# Altium PCB Carte_Batterie PAMI 2024.PcbDoc (continued)
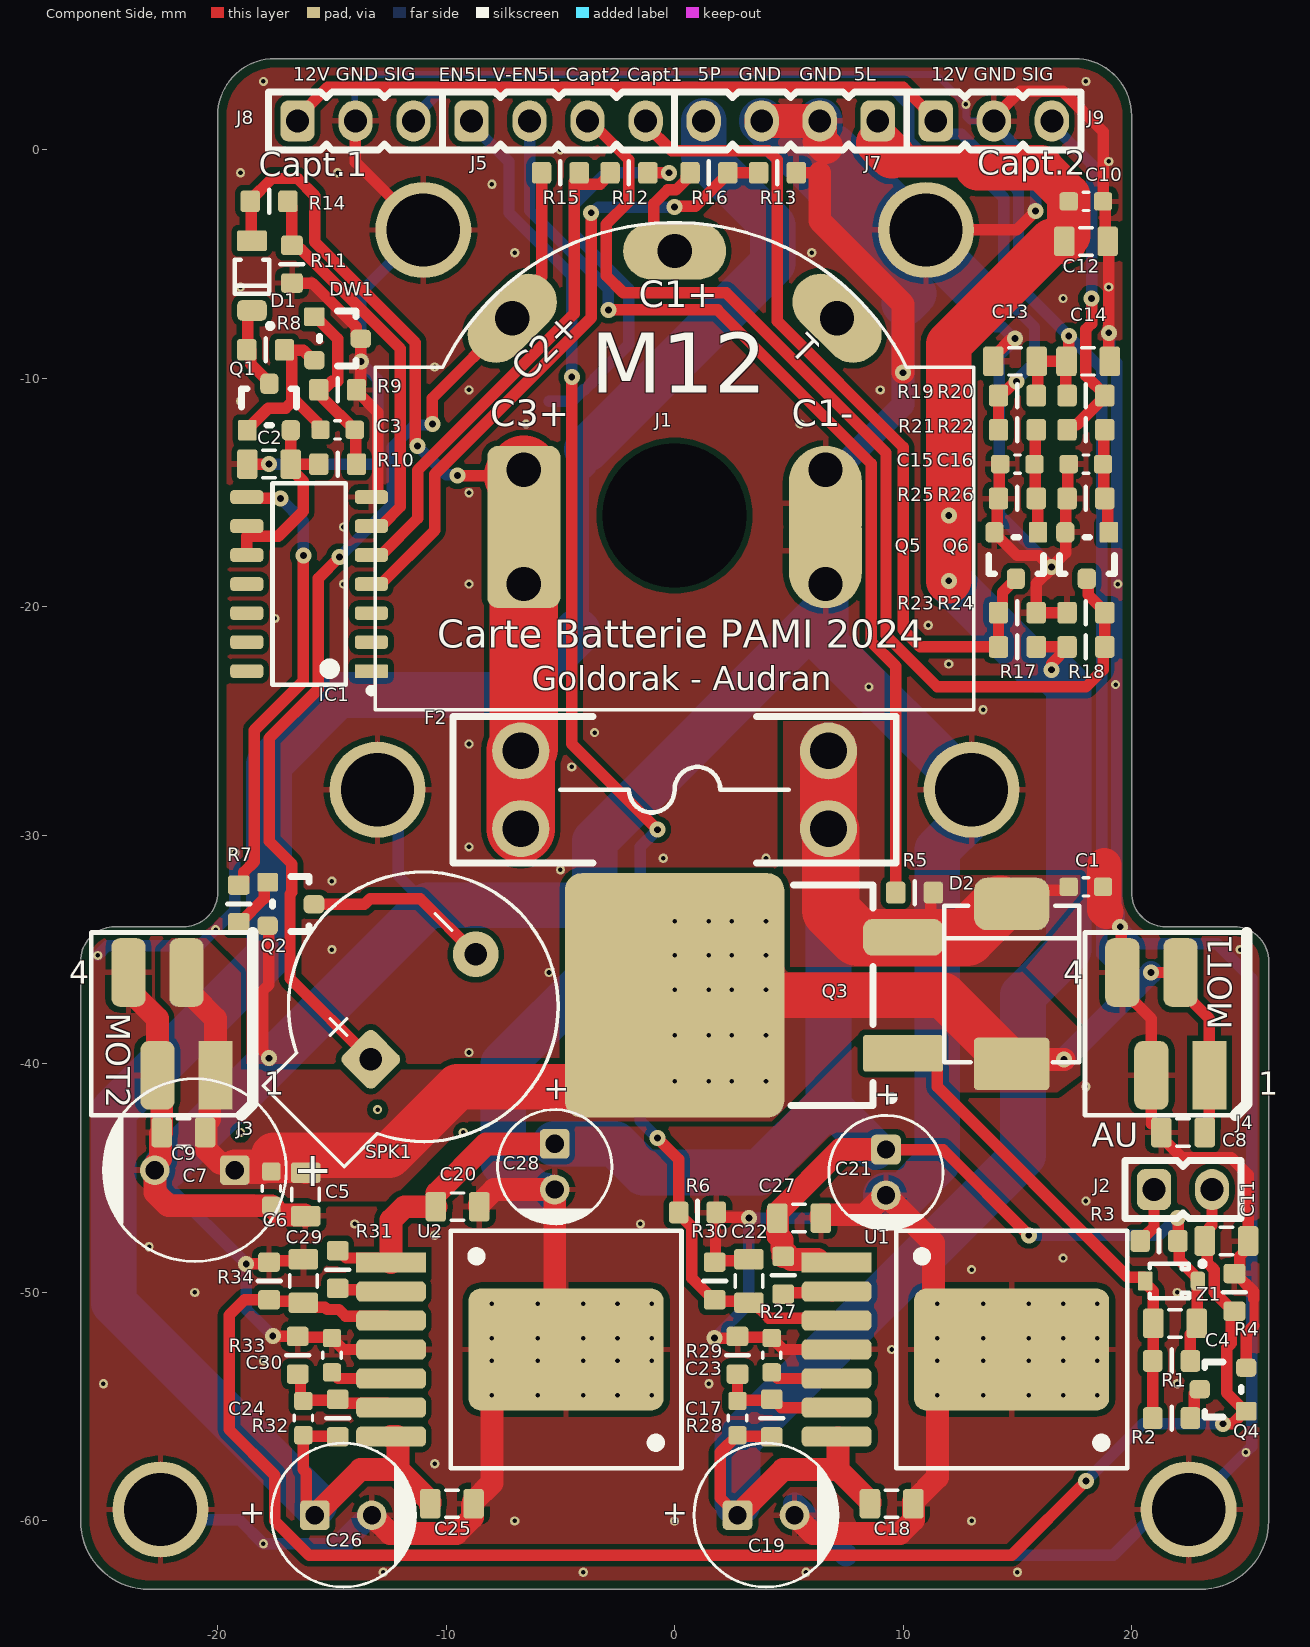
[diagram p0: Component Side view]
## Footprints (in the part's own frame and the unit in brackets; to place one, negate y for a bottom-side part, rotate by r counter-clockwise, add the part's x,y. Pads: shape width x height; smd on the part's side, far side on the other; paste and mask are expansions set on the pad) (continued)
  rrect30% 1.3x1.3 hole 0.8: 1(1.25,0)
  round 1.3 hole 0.8: 2(-1.25,0)
  silkscreen extent -3.15,-3.15 3.15,3.15, body extent -3.14,-3.15 3.12,3.13, height 11.11
WCAP-ATG8_8x11.5x3.5x0.5 [mm] "Polarized capacitors, Aluminum Electrolytic Capacitors, 2-Leads, Body 8x11.5x3.5x0.5"
  rrect30% 1.3x1.3 hole 0.8: 1(1.75,0)
  round 1.3 hole 0.8: 2(-1.75,0)
  silkscreen extent -4,-4 4,4, body extent -3.99,-4 3.97,3.98, height 11.61
"WCAP-CSGP_0603, 1.6x0.8x0.8" [mm] "WCAP-CSGP Ceramic Capacitors, size 0603, body 1.6x0.8x0.8"
  rrect30% 0.8x0.8 smd: 1(-0.75,0) 2(0.75,0)
  silkscreen extent -0.13,-0.4 0.13,0.4, body extent -1,-0.39 1,0.39, height 0.8
"WCAP-CSGP_0805, 2x1.25x1.25" [mm] "WCAP-CSGP Ceramic Capacitors, size 0805, body 2x1.25x1.25"
  rrect30% 0.9x1.3 smd: 1(-0.95,0) 2(0.95,0)
  silkscreen extent -0.27,-0.6 0.28,0.6, body extent -1,-0.63 1,0.62, height 1.25
WPME-VDRM_TO263-7EP [mm] "9.85x10.16"
  rect 3.06x0.89 smd: 1(-7.66,3.81)
  rrect50% 3.06x0.89 smd: 2(-7.66,2.54) 3(-7.66,1.27) 4(-7.66,0) 5(-7.66,-1.27) 6(-7.66,-2.54) 7(-7.66,-3.81)
  rrect20% 8.54x5.35 smd paste-10: 8(0,0)
  silkscreen extent -5.05,-5.21 5.05,5.21, body extent -8.85,-5.08 4.92,5.08, height 4.77

## Part data
C1 C3 C6 C10 C15 C16 C17 C24: library part "WCAP-CSGP, 885012206095", "CAP CER 100nF 50V X7R 0603", Manufacturer="Wurth Elektronik", Manufacturer Part Number=885012206095, RatedVoltage=50V, CeramicType=X7R, ComponentLink1Description=Datasheet, ComponentLink1URL=http://katalog.we-online.com/pbs/datasheet/885012206095.pdf, Size=0603, SUPPLIER 2=JLCPCB, Supplier Footprint 2=0603, SUPPLIER PART NUMBER 2=C14663
C2: library part "WCAP-CSGP, 885012207103", "CAP CER 1uF 50V X7R 0805", Manufacturer="Wurth Elektronik", Manufacturer Part Number=885012207103, RatedVoltage=50V, SUPPLIER PART NUMBER 1=2495200, CeramicType=X7R, ComponentLink1Description=Datasheet, ComponentLink1URL=http://katalog.we-online.com/pbs/datasheet/885012207103.pdf, Size=0805, SUPPLIER 1=Farnell, SUPPLIER 2=JLCPCB, Supplier Footprint 2=0805, SUPPLIER PART NUMBER 2=C28323
C4 C5 C8 C9 C13 C14 C18 C20 C22 C25 C27 C29: library part "WCAP-CSGP, 885012207103", "CAP CER 1uF 50V X7R 0805", Manufacturer="Wurth Elektronik", Manufacturer Part Number=885012207103, RatedVoltage=50V, CeramicType=X7R, ComponentLink1Description=Datasheet, ComponentLink1URL=http://katalog.we-online.com/pbs/datasheet/885012207103.pdf, Size=0805, SUPPLIER 2=JLCPCB, Supplier Footprint 2=0805, SUPPLIER PART NUMBER 2=C28323
C7: library part "WCAP-ATG8, 860010474013", "CAP Alu 470 UF 20% 25 V", Manufacturer="Wurth Elektronik", Manufacturer Part Number=860010474013, RatedVoltage=25V, ComponentLink1Description=Datasheet, ComponentLink1URL=http://katalog.we-online.de/pbs/datasheet/860010474013.pdf, Size=8mmx11.5mm
C11 C12: library part "WCAP-CSGP, 885012207026", "CAP CER 10uF 10V X7R 0805", Manufacturer="Wurth Elektronik", Manufacturer Part Number=885012207026, RatedVoltage=10V, SUPPLIER PART NUMBER 1=2495189, CeramicType=X7R, ComponentLink1Description=Datasheet, ComponentLink1URL=http://katalog.we-online.com/pbs/datasheet/885012207026.pdf, Size=0805, SUPPLIER 1=Farnell, SUPPLIER 2=JLCPCB, Supplier Footprint 2=0805, SUPPLIER PART NUMBER 2=C15850
C19 C26: library part "WCAP-ATG8, 860010373010", "CAP Alu 220 UF 20% 16 V", Manufacturer="Wurth Elektronik", Manufacturer Part Number=860010373010, RatedVoltage=16V, ComponentLink1Description=Datasheet, ComponentLink1URL=http://katalog.we-online.de/pbs/datasheet/860010373010.pdf, Size=6.3mmx11mm
C21 C28: library part "WCAP-ATG8, 860010672009", "CAP Alu 10 UF 20% 50 V", Manufacturer="Wurth Elektronik", Manufacturer Part Number=860010672009, RatedVoltage=50V, ComponentLink1Description=Datasheet, ComponentLink1URL=http://katalog.we-online.de/pbs/datasheet/860010672009.pdf, Size=5mmx11mm
C23 C30: library part "WCAP-CSGP, 885012206087", "CAP CER 4.7nF 50V X7R 0603", Manufacturer="Wurth Elektronik", Manufacturer Part Number=885012206087, RatedVoltage=50V, SUPPLIER PART NUMBER 1=2495180, CeramicType=X7R, ComponentLink1Description=Datasheet, ComponentLink1URL=http://katalog.we-online.com/pbs/datasheet/885012206087.pdf, Size=0603, SUPPLIER 1=Farnell, SUPPLIER 2=JLCPCB, Supplier Footprint 2=0603, SUPPLIER PART NUMBER 2=C53987
D1: library part RBR3MM40ATFTR, "DIODE SCHOTTKY 40V 3A SOD123-FL", ContinuousForwardCurrent=3A, Manufacturer=ROHM, SUPPLIER PART NUMBER 1=2581593, ComponentLink1Description=Datasheet, ComponentLink1URL=http://www.farnell.com/datasheets/2067190.pdf, ComponentLink2Description=Manufacturer, ComponentLink2URL=http://www.rohm.com/web/global/products/-/product/RBR3MM40ATF, Manufacturer Part Number=RBR3MM40ATFTR, SUPPLIER 1=Farnell, SUPPLIER 2=JLCPCB, Supplier Footprint 2=SOD-123, SUPPLIER PART NUMBER 2=C8598, Type=Schottky
D2: library part RS3J_R6, "DIODE GEN PURP 600V 3A SMC", ContinuousForwardCurrent=3A, Manufacturer="TAIWAN SEMICONDUCTOR", SUPPLIER PART NUMBER 1=2677388, ComponentLink1Description=Datasheet, ComponentLink1URL=http://www.farnell.com/datasheets/2182655.pdf, Manufacturer Part Number="RS3J R6", SUPPLIER 1=Farnell, Type=Standard
DW1 Q1 Q2: library part 2N7002, "MOSFET N 60V 115MA SOT23", Manufacturer="Changjiang Electronics Tech (CJ)", SUPPLIER PART NUMBER 1=1510761, ComponentLink1Description=Datasheet, ComponentLink1URL=https://datasheet.lcsc.com/szlcsc/1810151612_Changjiang-Electronics-Tech-CJ-2N7002_C8545.pdf, Manufacturer Part Number=2N7002, SUPPLIER 1=Farnell, SUPPLIER 2=JLCPCB, Supplier Footprint 2=SOT-23-3, SUPPLIER PART NUMBER 2=C8545
F2: "FUSE Holder 500V 30A PCB", Manufacturer="Keystone Electronics", SUPPLIER PART NUMBER 1=2292904, ComponentLink1Description=Datasheet, ComponentLink1URL=http://www.keyelco.com/product-pdf.cfm?p=296, Manufacturer Part Number=3557-2, SUPPLIER 1=Farnell
IC1: "Specific IC for Lipo Saver (extracted", Manufacturer=LipoSaver, ComponentLink1Description=Datasheet, ComponentLink1URL=https://www.onsemi.com/pdf/datasheet/74vhc02-d.pdf, Manufacturer Part Number=ASIC_LipoSaver
J1: library part CONN_BATT-M12, "Batterie connector for Milwaukee M12, use 2x RS 125-2006 and 3x RS 125-2000"
J2: "CONN HEADER VERT 2POS 2.54MM", Manufacturer=MOLEX, SUPPLIER PART NUMBER 1=9731075, ComponentLink1Description=Datasheet, ComponentLink1URL=http://www.farnell.com/datasheets/1791308.pdf, ComponentLink2Description=Drawings, ComponentLink2URL="http://www.farnell.com/cad/495071.pdf  http://www.farnell.com/cad/1533907.pdf  http://www.farnell.com/cad/1533907.pdf", Manufacturer Part Number=22-03-2021, SUPPLIER 1=Farnell
J3 J4: "WR-MM 4p Female SMT Connector with Polarization", Manufacturer="Wurth Electronics Inc.", SUPPLIER PART NUMBER 1=1641848, ComponentLink1Description=Datasheet, ComponentLink1URL=http://katalog.we-online.de/em/datasheet/69036728xx76.pdf, Manufacturer Part Number=690367280476, SUPPLIER 1=Farnell
J5 J7: library part Conn_22-03-2041, "CONN HEADER VERT 4POS 2.54MM", Manufacturer=MOLEX, SUPPLIER PART NUMBER 1=9731091, ComponentLink1Description=Datasheet, ComponentLink1URL=https://www.molex.com/pdm_docs/sd/022032041_sd.pdf, Manufacturer Part Number=22-03-2041, SUPPLIER 1=Farnell
J8 J9: "CONN HEADER VERT 3POS 2.54MM", Manufacturer=MOLEX, SUPPLIER PART NUMBER 1=9731083, ComponentLink1Description=Datasheet, ComponentLink1URL=http://www.farnell.com/datasheets/1785732.pdf, ComponentLink2Description=Drawings, ComponentLink2URL="http://www.farnell.com/cad/495071.pdf  http://www.farnell.com/cad/1533907.pdf  http://www.farnell.com/cad/1533907.pdf", Manufacturer Part Number=22-03-2031, SUPPLIER 1=Farnell
Q3: "MOSFET P 60V 120A D2PAK", Manufacturer=VISHAY, SUPPLIER PART NUMBER 1=2617099, ComponentLink1Description=Datasheet, ComponentLink1URL=http://www.vishay.com/docs/67026/sqm120p0.pdf, Manufacturer Part Number=SQM120P06-07L_GE3, SUPPLIER 1=Farnell
Q4 Q5 Q6: "MOSFET N 60V 115MA SOT23", Manufacturer="Changjiang Electronics Tech (CJ)", SUPPLIER PART NUMBER 1=1510761, ComponentLink1Description=Datasheet, ComponentLink1URL=https://datasheet.lcsc.com/szlcsc/1810151612_Changjiang-Electronics-Tech-CJ-2N7002_C8545.pdf, Manufacturer Part Number=2N7002, SUPPLIER 1=Farnell, SUPPLIER 2=JLCPCB, Supplier Footprint 2=SOT-23-3, SUPPLIER PART NUMBER 2=C8545
R1 R3 R4 R5 R6 R7 R8 R9 R10 R11 R12 R13 R14 R15 R16 R27 R30 R31 R34: "RES SMD 100K OHM 1% 1/10W 0603", Manufacturer=Yageo, POWER=100mW, SUPPLIER PART NUMBER 1=2309107, ComponentLink1Description=Manufacturer, ComponentLink1URL=http://www.yageo.com/NewPortal/_en/index.jsp, ComponentLink2Description=Datasheet, ComponentLink2URL=http://www.farnell.com/datasheets/2167052.pdf, Manufacturer Part Number=RC0603FR-07100KL, Precision=±1%, SUPPLIER 1=Farnell, SUPPLIER 2=JLCPCB, Supplier Footprint 2=0603, SUPPLIER PART NUMBER 2=C25803, Type="Thick Film", Vmax=50V
R2 R17 R18 R19 R20 R21 R22 R23 R24 R25 R26 R28 R29 R32 R33: "RES SMD 10K OHM 1% 1/10W 0603", Manufacturer=Yageo, POWER=100mW, SUPPLIER PART NUMBER 1=9238603, ComponentLink1Description=Manufacturer, ComponentLink1URL=http://www.yageo.com/NewPortal/_en/index.jsp, ComponentLink2Description=Datasheet, ComponentLink2URL=http://www.farnell.com/datasheets/2167052.pdf, Manufacturer Part Number=RC0603FR-0710KL, Precision=±1%, SUPPLIER 1=Farnell, SUPPLIER 2=JLCPCB, Supplier Footprint 2=0603, Type="Thick Film", Vmax=50V
  R2 R17 R18 R19 R20 R21 R22 R23 R24 R25 R26 R29 R33: SUPPLIER PART NUMBER 2=C25804
SPK1: library part BUZZER_LipoSaver, "Cavalier soudure \"ouvert\" + empreinte dipole 0603"
U1 U2: "WPME-VDRM DCDC 6-42Vin, 5-24Vout, 3Aout TO263-7EP", Manufacturer="Wurth Elektronik", SUPPLIER PART NUMBER 1=2505849, ComponentLink1Description="Website Link", ComponentLink1URL=https://www.we-online.com/redexpert/article/171032401?ad, ComponentLink2Description="Datasheet Link", ComponentLink2URL=https://www.we-online.com/redexpert/spec/171032401?ad, Manufacturer Part Number=171032401, SUPPLIER 1=Farnell
Z1: "DIODE ZENER 14.6V 300mW SOD323", Manufacturer="ON Semiconductor", SUPPLIER PART NUMBER 1=2533369, ComponentLink1Description=Datasheet, ComponentLink1URL=http://www.farnell.com/datasheets/2028649.pdf, Manufacturer Part Number=MM3Z15VST1G, SUPPLIER 1=Farnell, Type=Zener

## Free pads (board coordinates)
  round 4.2 / inner round 6 / far side round 6 hole 3.2: 0(-22.5,-59.5) 0(-13,-28) 0(-11,-3.5) 0(11,-3.5) 0(13,-28) 0(22.5,-59.5)
  round 1.524 hole 6.3 unplated: 1(0,-16)

## Via types
v1: diameter 0.4, hole 0.2, Component Side to Solder Side, tented both sides, 135 vias
v2: diameter 0.7, hole 0.3, Component Side to Solder Side, tented both sides, 38 vias

## Nets (pads, with @x,y where several pads share a name; then routed paths per layer and width w, separated by ;. In a path a pad name is that pad's centre, name@x,y a point inside that pad or via, vN(x,y) a via of type N, cw(c..) or ccw(c..) an arc to the next point about the centre after c; other vN are vias at no path point)
5L: C10.2 C12.2 C17.2 C18.2 C19.1 J7.1 R17.2 R18.2 R28.2 U1.7 | length 93.4
  Component Side w0.5: C19.1 2.35,-59.35 2,-59 2,-57 C17.2 2.788,-56.287 4.213,-56.287 R28.2 ; R17.2 R18.2 17.175,-21.8 16.5,-22.475 v2(16.5,-22.75)
  Component Side w1: C19.1 4.75,-57.75 7.15,-57.75 ; U1.7@7.15,-56.365 7.15,-57.75 ; C18.2 8.55,-59.15 7.15,-57.75
  Component Side w1.4: 9.76,-0.5 13,-0.5
  Component Side w1.9: 16.028,-0.78 17.25,-2.002 C12.2@17.25,-3.75
  Component Side w2: 8.94,0.32 9.51,-0.25 ; v2(12,-18.855) 12,-8.5 16.5,-4 C12.2 ; 13.28,-0.78 16.028,-0.78
  Solder Side w2: C19.1@2.75,-59.25 2.75,-56.5 15.25,-44 15.25,-37 17.25,-35 17.25,-23.5 v2(16.5,-22.75) 15.895,-22.75 v2(12,-18.855)
  other v2: 12,-16
5P: C24.2 C25.2 C26.1 J7.4 R32.2 U2.7 | length 95.4
  Component Side w0.5: C26.1 -16.123,-59.377 -16.123,-57.877 -16.25,-57.75 C24.2 -16.212,-56.287 -14.787,-56.287 R32.2
  Component Side w1: C26.1 -15.5,-59.5 -13.75,-57.75 -12.1,-57.75 ; U2.7 -12.155,-56.31 -12.1,-56.365 -12.1,-57.75 ; C25.2 -10.7,-59.15 -12.1,-57.75
  Solder Side w1: -4.25,-21.078 -4.25,-14.15 -3.85,-13.75 -3.85,-13.1
  Solder Side w2: C26.1@-15.75,-59.25 -24.55,-50.45 -24.55,-42.05 -17.75,-35.25 -17.75,-26.881 -14.719,-23.85 -7.022,-23.85 -4.25,-21.078 ; -3.85,-13.1 4.297,-4.953 4.297,-3.297 1.27,-0.27 J7.4
"Alim IC": C2.2 IC1.9 IC1.10 Q1.2 R10.2 | length 9.4
  Component Side w0.5: IC1.10 -18.725,-16.91 ; IC1.9 -18.675,-16.51 -18.675,-16.91 -17.349,-16.91 -16.25,-15.811 -16.25,-14.5 -16.8,-13.95 C2.2 ; Q1.2 Q1.2 -16.799,-13.75 -16.799,-13.949 -16.7,-13.85 -16.6,-13.75 R10.2
ALIM_AU_NC: J2.1 R3.2 | length 2.5
  Component Side w0.5: R3.2 20.375,-47.7 20.55,-47.525 20.6,-47.525 20.98,-47.145 J2.1
ALIM_EN_5L: J5.2 R5.2 | length 43.2
  Component Side w0.5: v2(-2.9,-7) 1.878,-7 8.6,-13.722 8.6,-21.519 9.675,-22.594 R5.2
  Solder Side w0.5: J5.2 -6.35,-2.65 -2.9,-6.1 v2(-2.9,-7)
AU_NC: C11.2 C29.2 J2.2 Q4.1 R4.2 R34.2 U2.3 | length 74.3
  Component Side w0.5: U2.3 -12.605,-51.035 -14.404,-51.035 -14.689,-50.75 -15.216,-50.75 -15.316,-50.65 -16.05,-50.65 -16.312,-50.387 -17.687,-50.387 R34.2 -18.825,-50.325 -19.5,-51 -19.5,-56 -17.5,-58 -17.5,-60 -16,-61.5 14.75,-61.5 v2(18,-58.25) ; C11.2 23.4,-47.55 23.4,-47.177 23.52,-47.057 J2.2 ; C11.2@23.318,-47.567 23.318,-48.714 23.615,-49.012 23.615,-49.99 24.45,-50.825 R4.2 24.366,-50.959 24.366,-52.228 24.166,-52.428 24.166,-54.403 Q4.1@24.966,-55.203 ; v2(24,-55.75) 24.419,-55.75 Q4.1@24.966,-55.203 ; Q4.1 Q4.1@24.966,-55.203
  Solder Side w0.5: v2(18,-58.25) 20.5,-55.75 v2(24,-55.75)
Batt12_P1: J1.3 R16.2 | length 4.7
  Component Side w0.5: J1.3 -0.905,-3.518 -0.905,-2.344 -0.311,-1.75 0.061,-1.75 0.5,-1.311 0.5,-1.175 R16.2
Batt12_P2: J1.2 R15.2 SPK1.1 | length 48.1
  Component Side w0.5: v2(-14.664,-17.819) -14.668,-17.819 -15.6,-18.751 -15.6,-23.6 -17.75,-25.75 -17.75,-30.25 -16.75,-31.25 -16.75,-32.48 -16.834,-32.564 -16.834,-36.262 SPK1.1 ; v2(-10.6,-12) -10.6,-10.86 J1.2 -7.106,-6.825 -5.825,-5.544 R15.2
  Solder Side w0.5: v2(-14.664,-17.819) -12.35,-15.506 -12.35,-12.999 -11.389,-12.038 -10.638,-12.038 v2(-10.6,-12) ; J1.2@-7.814,-8.073 J1.2 J1.2@-6.399,-6.659
Batt12_P3: D1.1 F2.1 F2.3 J1.1 R14.2 | length 36.1
  Component Side w0.5: D1.1 -18.538,-3.938 -18.538,-2.287 R14.2 -18.575,-2.2 -17.625,-1.25 -16.5,-1.25 -15.75,-2 -15.75,-4.029 -11.35,-8.429 -11.35,-12.859 v2(-11.25,-12.959) ; v2(-9.5,-14.25) J1.1@-6.85,-14.25
  Component Side w3: J1.1@-6.85,-14.25 -6.6,-14 J1.1@-6.6,-15.45 ; F2.3 F2.1 -6.6,-26.165 J1.1@-6.6,-19
  Solder Side w0.5: v2(-11.25,-12.959) -9.998,-14.212 -9.538,-14.212 v2(-9.5,-14.25) ; J1.1@-6.92,-13.68 J1.1@-6.6,-14
Batt12_T: J1.4
CaptTOR_1: J5.4 Q5.3 R17.1 R23.2 | length 37.2
  Component Side w0.5: J5.4 -1.27,1.12 -0.12,-0.03 4.096,-0.03 4.5,-0.434 4.5,-7.5 10,-13 10,-21 10.75,-21.75 R17.1 R23.2 14.35,-20.075 14.35,-19.353 14.737,-18.966 14.787,-18.966 14.937,-18.816 Q5.3
CaptTOR_2: J5.3 Q6.3 R18.1 R24.2 | length 46.6
  Component Side w0.5: J5.3 -3.704,1.27 -2,-0.434 -2,-2.25 -3,-3.25 -3,-5.5 -2.25,-6.25 2.25,-6.25 9.25,-13.25 9.25,-21.25 11.5,-23.5 18,-23.5 18.75,-22.75 18.75,-21.825 R18.1 18.825,-20.2 18.096,-19.471 18.096,-18.875 Q6.3@17.987,-18.766
EN_5L: C22.2 J5.1 R6.2 R30.2 U1.3 | length 62.4
  Component Side w0.5: v2(-4.5,-9.939) -4.5,-26 v2(-0.75,-29.75) ; v2(-0.75,-43.25) 0.175,-44.175 R6.2 0.175,-46.55 0.75,-47.125 0.75,-49.375 1.763,-50.387 3.188,-50.387 C22.2 3.45,-50.45 4.125,-51.125 6.985,-51.125 U1.3
  Solder Side w0.5: J5.1 -8.89,1.12 -7.25,-0.52 -7.25,-2.75 -4.5,-5.5 -4.5,-7.943 v2(-4.5,-9.939) ; v2(-0.75,-43.25) -1.5,-42.5 -1.5,-30.5 v2(-0.75,-29.75)
GND: C1.1 C2.1 C5.1 C6.1 C7.2 C8.1 C9.1 C10.1 C11.1 C12.1 C13.1 C14.1 C15.2 C16.2 C18.1 C19.2 C20.1 C21.2 C22.1 C23.1 C25.1 C26.2 C27.1 C28.2 C29.1 C30.1 DW1.3 IC1.7 J1.5 J3.3 J3.4 J4.3 J4.4 J7.2 J7.3 J8.2 J9.2 pad.0 Q2.2 Q4.2 Q5.2 Q6.2 R4.1 R6.1 R9.2 R11.1 R12.1 R13.1 R23.1 R24.1 R25.1 R26.1 R29.1 R30.1 R33.1 R34.1 U1.4 U1.8 U2.4 U2.8 | length 520.5
  Component Side w0.2: U1.8 16.75,-50.5 v1(17,-50.5)
  Component Side w0.4: 25.35,-51.45 25.35,-50.284
  Component Side w0.5: v2(-18.75,-48.75) -17.825,-48.75 R34.1 -17.688,-48.613 -16.313,-48.613 C29.1 ; C2.1 v2(-17.75,-13.75) ; Q2.2@-17.766,-33.952 -17.766,-36.541 -18.016,-36.791 -18.016,-39.43 -17.75,-39.696 v2(-17.75,-39.75) ; v2(-17.586,-51.914) -17.581,-51.919 -16.506,-51.919 R33.1 -16.463,-51.962 -15.037,-51.962 C30.1 -14.5,-52.5 U2.4 ; R11.1 -15.858,-5.825 -13.934,-7.749 -13.934,-8.113 -13.884,-8.113 DW1.3 v2(-13.734,-9.261) -13.734,-10.259 -13.925,-10.45 R9.2 -13.925,-10.55 -13,-11.475 -13,-15.14 -13.05,-15.19 IC1.7 ; J8.2 -13.97,-0.53 pad.0@-11,-3.5 ; R12.1 v2(-0.25,-1) ; v2(1.75,-52) 2.675,-52 R29.1 2.787,-51.962 4.212,-51.962 C23.1 4.75,-52.5 U1.4 ; C22.1 3.188,-48.612 1.813,-48.612 R30.1@1.788,-48.638 ; v2(3.25,-46.75) 3.212,-46.712 2,-46.712 1.825,-46.537 R6.1 1.788,-46.537 R30.1@1.788,-48.638 ; R13.1 6.35,-1 ; pad.0@11,-3.5 14.973,-3.5 v2(15.8,-2.673) ; J9.2 13.97,1.42 15.12,2.57 16.986,2.57 18.75,0.806 C10.1 18.85,-2.35 18.85,-3.6 18.95,-3.7 C12.1 ; Q5.2 13.998,-16.784 14.148,-16.934 14.173,-16.934 14.989,-17.75 15.946,-17.75 16.446,-18.25 v2(16.5,-18.25) ; C13.1@14.05,-8.95 14.712,-8.288 14.853,-8.288 v2(14.892,-8.25) ; Q5.2@14.111,-16.67 14.111,-15.314 R25.1 14.213,-15.213 14.213,-13.787 C15.2 ; R24.1 R23.1 15.825,-18.979 16.5,-18.304 v2(16.5,-18.25) ; C16.2 17.213,-13.787 17.213,-15.213 R26.1 17.111,-15.314 17.111,-17.639 v2(16.5,-18.25) ; 18.9,-33.346 19.5,-33.946 v2(19.5,-34) 19.538,-34.038 19.538,-35.943 J4.4 19.595,-36.75 20.865,-38.02 J4.3 20.865,-42.615 21.1,-42.615 21.3,-42.815 C8.1 21.3,-43.2 22.207,-44.107 24.357,-44.107 25.1,-44.85 C11.1 ; C14.1@18.95,-9.25 19,-9.2 v2(19,-8) C12.1@19,-4 ; R4.1 R4.1@24.55,-49.175 ; Q4.2 25.016,-51.784 25.35,-51.45 ; C11.1@25.2,-47.95 24.725,-48.425 24.725,-49 R4.1@24.55,-49.175 ; 25.35,-50.284 25.35,-49.975 R4.1@24.55,-49.175 ; R30.1@1.788,-48.638 R30.1 R30.1@1.788,-48.638
  Component Side w1: J3.4 -23.905,-36.75 -22.635,-38.02 J3.3 -22.45,-40.685 C9.1 -22.5,-43.05 -22.5,-44.169 -22.75,-44.419 -22.75,-44.5 -22.75,-45.624 -22.164,-46.21 C6.1 -17.25,-46.61 -16.2,-46.61 C5.1 ; C26.2 -12.45,-60.55 -9.55,-60.55 -8.85,-59.85 -8.85,-59.3 C25.1 -8.8,-59.15 -8,-58.35 -8,-54.672 -5.828,-52.5 U2.8 -5.25,-52 C28.2 -7.9,-45.5 -8.55,-46.15 C20.1 ; C19.2 6.05,-60.55 9.864,-60.55 10.45,-59.964 10.45,-59.15 11.5,-58.1 11.5,-54.672 U1.8@13.672,-52.5 ; 6.35,-1 6.35,-3.1 10,-6.75 v2(10,-9.75) ; C27.1 6.4,-46.65 6.45,-46.6 8.319,-46.6 9.169,-45.75 C21.2 11.325,-47.825 11.325,-50.328 13.497,-52.5 U1.8@13.672,-52.5 ; U1.8 U1.8@13.672,-52.5
  Component Side w1.5: J7.3 J7.2 6.35,0.404 6.612,0.142 ; 18.8,-31.3 18.8,-33.246 18.9,-33.346
  Solder Side w0.3: J8.2 -14,1.3 -14,2.5 -13.2,3.3 11.45,3.3 v1(12.75,2) ; v1@12.652,1.902 12.75,1.805 12.75,1.446 12.926,1.27 J9.2
  Solder Side w0.5: v1(-25.25,-35.25) -24.821,-34.821 -20.79,-34.821 v1(-20.089,-34.119) -19.25,-33.28 v1(-19.25,-30.75) ; pad.0@-22.5,-59.5 -22.043,-59.957 -19.043,-59.957 v1(-18,-61) -14.581,-61 ; C7.2@-22.25,-44.5 -22.25,-45.25 v2(-18.75,-48.75) -18.75,-50.75 v2(-17.586,-51.914) ; v2(-17.75,-13.75) -13,-13.75 -13,-10.049 -13.734,-9.315 v2(-13.734,-9.261) -13.734,-6.234 pad.0@-11,-3.5 ; pad.0@-13,-28 -12.104,-28.896 -12.104,-31.75 -10.802,-33.052 ; -5.5,-11 -4.5,-11 -4,-10.5 -3.939,-10.5 -3.5,-10.061 -3.5,-10 -2,-8.5 -2,-6.081 -4.4,-3.681 -4.4,-2.4 -3,-1 v2(-0.25,-1) ; v2(1.75,-52) 3.25,-50.5 v2(3.25,-46.75) 8.194,-46.75 9.194,-45.75 C21.2 ; 7.5,-61.5 19.197,-61.5 21.197,-59.5 22.5,-59.5 25.25,-56.75 25.25,-36.25 23.75,-34.75 20.304,-34.75 19.554,-34 v2(19.5,-34) 19.462,-33.962 19.462,-33.411 19.35,-33.299 19.35,-9.319 19.038,-9.007 19.038,-8.038 v2(19,-8) ; 13.75,-6.283 13.75,-7.446 14.043,-7.739 14.326,-7.739 14.838,-8.25 v2(14.892,-8.25) 14.892,-8.304 14.212,-8.984 14.212,-15.962 v2(16.5,-18.25) ; J9.2 13.97,1.12 15.8,-0.71 v2(15.8,-2.673)
  Solder Side w1: -14.581,-61 C26.2@-13.348,-59.767 ; C19.2@5.25,-59.25 7.5,-61.5 ; J1.5@6.6,-14 7.15,-14 10,-11.15 v2(10,-9.75) 10,-6.75 10.043,-6.707
  Solder Side w2: C7.2@-22.25,-44.5 -17.625,-39.875 -10.802,-33.052 -3.5,-33.052 ; C28.2@-5.718,-45.75 -6.078,-45.75 -7.5,-44.328 -7.5,-40 -3.5,-36 -3.5,-33.052 ; J7.3 8,-2.92 8,-3.816 10.467,-6.283 10.043,-6.707 ; 6.35,-0.35 J7.2 ; J1.5@6.6,-19 6.6,-20.15 ; 6.99,0.113 10.603,-3.5 11,-3.5 11,-4 13,-6 ; C21.2 10.062,-45.75 11.5,-44.312 11.5,-30.637 13,-29.137 13,-28 6.6,-21.6 6.6,-20.15 ; -3.5,-33.052 -3.5,-30.25 6.6,-20.15
  other v1: -12.75,-62.25 -4,-62.25 5.75,-62.25 15,-62.25 -7,-60 0,-60 13,-60 -10.5,-57.5 25,-57 -8,-54.5 -6,-54.5 -4,-54.5 -2.5,-54.5 -1,-54.5 11.5,-54.5 13.5,-54.5 15.5,-54.5 17,-54.5 18.5,-54.5 -25,-54 1.5,-54 22,-54 -18,-53 -8,-53 -6,-53 -4,-53 -2.5,-53 -1,-53 11.5,-53 13.5,-53 15.5,-53 17,-53 18.5,-53 9.5,-52.5 -8,-52 -6,-52 -4,-52 -2.5,-52 -1,-52 11.5,-52 13.5,-52 15.5,-52 17,-52 18.5,-52 -8,-50.5 -6,-50.5 -4,-50.5 -2.5,-50.5 -1,-50.5 11.5,-50.5 13.5,-50.5 15.5,-50.5 18.5,-50.5 -21,-50 22,-50 13,-49 17,-48.5 -23,-48 -10.5,-47.5 -14,-47 -1.5,-47 18,-46 -19,-43 -9.25,-43 -13,-42 18,-41 25,-41 -9,-39.5 -5.5,-36 -15,-35 24.75,-35 -15,-32 -5,-31.5 -0.5,-31 4,-31 -9,-30.5 -4.5,-27 -9,-26 -3.5,-25.5 13.5,-24.5 8.5,-23.5 19.3,-23.4 12,-22.5 11.1,-20.8 -17.5,-20.5 -14.5,-19 -9,-19 19.4,-19 -14.5,-16.5 -9,-15 -6.5,-12 5.5,-12 -19,-11 -9,-10.5 9,-10.5 -10.5,-9.5 -3,-8.5 17,-6.5 -19,-6 19,-6 -7,-4.5 6,-4.5 -8,-1.5 -19,-1 -14.75,-1 19,-0.5 -5,0 -18,3 18,3
NetC3_1: C3.1 DW1.2 Q1.1 R8.2 | length 8.1
  Component Side w0.5: Q1.1 -18.553,-12.116 -18.553,-12.066 -17.786,-11.3 -17.026,-11.3 -16.738,-11.012 ; -16.75,-11.024 -16.75,-9.125 -17.075,-8.8 R8.2 -17.061,-8.764 -16.254,-8.764 -15.816,-9.203 DW1.2 ; -16.546,-11.012 -15.65,-11.908 -15.65,-12.1 C3.1
NetC3_2: C3.2 DW1.1 R9.1 R10.1 | length 8.2
  Component Side w0.5: DW1.1 -15.716,-7.298 -14.75,-8.263 -14.75,-10.125 -15,-10.125 -15.475,-10.6 R9.1@-15.4,-10.675 ; R9.1 R9.1@-15.4,-10.675 ; R10.1 -13.963,-13.712 -13.963,-12.288 C3.2 -15.4,-10.85 R9.1@-15.4,-10.675
NetC4_1: C4.1 Q3.1 R1.1 R2.2 Z1.1 | length 21.5
  Component Side w0.5: Q3.1 10.95,-39.54 11.5,-40.09 11.5,-41 19.835,-49.335 20.535,-49.335 20.6,-49.4 20.6,-49.6 20.954,-49.954 C4.1 20.94,-51.368 20.94,-52.985 R1.1 R2.2
NetC15_1: C15.1 Q5.1 R21.2 R25.2 | length 4.6
  Component Side w0.5: R21.2 15.787,-12.288 15.787,-13.712 C15.1 15.787,-13.788 15.787,-15.212 15.899,-15.324 15.899,-16.731 Q5.1
NetC16_1: C16.1 Q6.1 R22.2 R26.2 | length 4.6
  Component Side w0.5: R22.2 18.788,-12.288 18.788,-13.712 C16.1 18.788,-13.787 18.788,-15.213 18.953,-15.378 Q6.1@18.953,-16.734
NetC17_1: C17.1 R28.1 R29.2 U1.6 | length 5.6
  Component Side w0.5: R29.2 2.75,-54.675 2.788,-54.712 4.213,-54.712 R28.1 4.3,-54.675 4.665,-55.04 U1.6
NetC23_2: C23.2 U1.5 | length 3
  Component Side w0.5: C23.2 4.52,-53.77 U1.5
NetC24_1: C24.1 R32.1 R33.2 U2.6 | length 5.3
  Component Side w0.5: R33.2 -16.375,-53.7 -16.375,-54.625 C24.1 -16.212,-54.713 -14.787,-54.713 R32.1 -14.575,-54.85 -12.6,-54.85 U2.6
NetC30_2: C30.2 U2.5 | length 2.7
  Component Side w0.5: C30.2 -14.73,-53.77 U2.5
NetD1_2: D1.2 Q1.3 R8.1 | length 3.6
  Component Side w0.5: R8.1 -18.675,-8.7 -18.675,-7.2 D1.2 ; R8.1@-18.575,-8.75 -18.55,-8.775 -18.55,-9.371 -17.887,-10.034 -17.887,-10.084 Q1.3
NetIC1_4: IC1.4 R13.2 R16.1 | length 28.6
  Component Side w0.5: IC1.4 -12.85,-19 -10.5,-16.65 -10.5,-14.189 -3.65,-7.339 v2(-3.65,-2.751) ; v2(0,-2.5) 0.038,-2.462 0.913,-2.462 2.325,-1.05 R16.1 R13.2
  Solder Side w0.5: v2(-3.65,-2.751) -3.596,-2.751 -3.345,-2.5 v2(0,-2.5)
NetIC1_5: IC1.5 R12.2 R15.1 | length 22.4
  Component Side w0.5: IC1.5 -13.225,-17.68 -12.8,-17.68 -11.25,-16.13 -11.25,-14.02 -4.4,-7.17 R15.1@-4.4,-1.4 ; R15.1 -4.175,-1.5 -3.25,-1.5 -3.25,-1.475 -2.825,-1.05 R12.2
NetIC1_6: IC1.6 R11.2 R14.1 | length 17.2
  Component Side w0.5: R14.1 -16.925,-2.3 -16.75,-2.475 R11.2 -16.575,-4.35 -16.348,-4.35 -12,-8.698 -12,-15.61 -12.8,-16.41 -13.225,-16.41 IC1.6
NetQ2_1: Q2.1 R7.2 | length 2.4
  Component Side w0.5: R7.2 -19.025,-33.825 -17.966,-32.766 -17.966,-32.197 Q2.1 Q2.1@-17.766,-32.047
NetQ2_3: Q2.3 SPK1.2 | length 8.1
  Component Side w0.5: Q2.3@-15.734,-33.013 -13.575,-33.013 -13.325,-32.763 -11.141,-32.763 SPK1.2
NetQ4_3: Q4.3 R2.1 | length 1.5
  Component Side w0.5: R2.1 22.75,-55.325 22.75,-54.421 22.934,-54.237 Q4.3 Q4.3@22.954,-54.208
NetR27_1: R27.1 U1.2 | length 2.5
  Component Side w0.5: R27.1 4.808,-50.018 6.767,-50.018 6.9,-50.15 U1.2
NetR31_1: R31.1 U2.2 | length 2.4
  Component Side w0.5: R31.1 -14.682,-49.893 -12.477,-49.893 U2.2
PWM_SPK: IC1.8 R7.1 | length 20
  Component Side w0.5: R7.1 -19.025,-32.175 -18.85,-32 -18.85,-31.6 -18.4,-31.15 -18.4,-25.4 -16.25,-23.25 v2(-16.25,-17.75) ; IC1.8 -18.675,-15.24 -17.26,-15.24 v2(-17.25,-15.25)
  Solder Side w0.5: v2(-17.25,-15.25) -16.25,-16.25 v2(-16.25,-17.75)
Qcapt1: J8.3 R19.1 R21.1 | length 41
  Component Side w0.5: R21.1 14.175,-10.7 14.35,-10.525 14.514,-10.525 14.908,-10.131 v2(14.962,-10.131)
  Solder Side w0.5: J8.3 -11.43,1.42 -10.1,2.75 9.5,2.75 10.25,2 10.25,0.4 10.75,-0.1 12.408,-0.1 14.4,-2.092 14.4,-6.4 15.75,-7.75 15.75,-9.289 14.962,-10.077 v2(14.962,-10.131)
Qcapt2: J9.3 R20.1 R22.1 | length 15.5
  Component Side w0.5: R22.1 17.175,-12.2 17.35,-12.025 17.6,-12.025 18.825,-10.8 18.825,-10.7 18.425,-10.3 18.413,-10.3 18,-9.887 18,-7.85 18.25,-7.6 v2(18.25,-6.5)
  Solder Side w0.5: J9.3 16.51,1.12 18.25,-0.62 v2(18.25,-6.5)
VBATT12: C5.2 C6.2 C7.1 C8.2 C9.2 C13.2 C14.2 D2.1 J3.1 J3.2 J4.1 J4.2 J8.1 J9.1 Q3.4 R19.2 R20.2 | length 142.7
  Component Side w0.5: J8.1 -16.51,1.42 -15.18,2.75 10,2.75 10.83,1.92 10.862,1.92 11.43,1.352 J9.1 ; R19.2 15.887,-10.688 15.887,-9.313 15.95,-9.25 C14.2@17.05,-9.25 ; R20.2 17.113,-10.687 17.113,-9.313 C14.2@17.05,-9.25 ; v2(17.25,-8.138) 17.25,-9.05 C14.2@17.05,-9.25 ; v2(20.845,-36) J4.2 22.135,-36.75 23.405,-38.02 J4.1 23.405,-42.845 23.225,-43.025 C8.2
  Component Side w1: J3.2 -21.365,-36.75 -21.115,-37 -20.095,-38.02 J3.1 -20.345,-40.75 -20.345,-42.41 -20.5,-42.565 C9.2@-20.5,-42.95 ; C9.2@-20.5,-43.05 -20.5,-43.75 -19.9,-44.35 -19.4,-44.35 C7.1@-19.25,-44.5 ; C6.2 -16.2,-44.71 C5.2 ; D2.1@14.941,-39.809 v2(17.036,-39.809)
  Component Side w1.5: C7.1@-19.25,-44.5 -18.031,-44.5 -17.531,-44
  Component Side w2: -17.531,-44 -16.2,-44 -12.5,-44 -9.5,-41 -3.8,-41 0,-37.2 Q3.4 ; Q3.4@0.306,-37 11.75,-37 D2.1
  Solder Side w0.5: J9.1 11.43,1.188 11.92,0.697 12.553,0.697 15,-1.75 15,-1.772 15.05,-1.822 15.05,-5.993 15.105,-5.993 v2(17.25,-8.138) 18.7,-9.588 18.7,-35.2 20.173,-36.673
  Solder Side w1: v2(17.036,-39.809) 20.173,-36.673 v2(20.845,-36)
  other v1: 0,-40.75 1.5,-40.75 2.5,-40.75 4,-40.75 0,-38.75 1.5,-38.75 2.5,-38.75 4,-38.75 0,-36.75 1.5,-36.75 2.5,-36.75 4,-36.75 0,-35.25 1.5,-35.25 2.5,-35.25 4,-35.25 0,-33.75 1.5,-33.75 2.5,-33.75 4,-33.75
VBATT12_F: C1.2 C4.2 C20.2 C21.1 C27.2 C28.1 D2.2 F2.2 F2.4 Q3.3 R1.2 R3.1 R5.1 R27.2 R31.2 U1.1 U2.1 Z1.2 | length 93.7
  Component Side w0.2: U1.1@6.25,-48.558 6.958,-48.558 U1.1
  Component Side w0.5: R31.2 -14.7,-48.175 -14.38,-48.495 -12.605,-48.495 U2.1 ; R27.2 4.883,-48.558 R27.2@5.088,-48.558 ; C21.1 11.75,-43.75 v2(15.5,-47.5) ; Q3.3@11.213,-34.277 11.213,-32.613 R5.1 ; D2.2@14.25,-33 14.85,-32.4 17.1,-32.4 C1.2 ; v2(22,-46.75) 22.037,-46.787 22.037,-47.713 22.08,-47.756 22.08,-48.58 22.835,-49.335 22.835,-49.435 Z1.2 22.877,-49.523 22.877,-51.331 C4.2 22.854,-51.554 22.575,-51.833 R1.2
  Component Side w1: U2.1 -12.41,-46.836 -11.824,-46.25 C20.2 ; C20.2@-10.4,-45.65 -8.25,-43.5 C28.1 ; R27.2 4.891,-48.284 4.7,-48.093 4.7,-47.7 4.5,-47.5 4.5,-46.5 7.25,-43.75 C21.1 ; R27.2@5.088,-48.558 U1.1@6.25,-48.558
  Component Side w2.5: F2.4 6.749,-29.686 6.735,-29.672 F2.2 ; F2.4@6.831,-29.768 6.831,-30.149 6.831,-33.288 8.002,-34.46 Q3.3 11.395,-34.46 12.79,-34.46 D2.2@14.25,-33
  Solder Side w0.5: v2(15.5,-47.5) 21.196,-47.5 21.946,-46.75 v2(22,-46.75)
  Solder Side w1.8: 6.735,-41.735 C21.1@8.75,-43.75
  Solder Side w2: C28.1 -2.621,-43.5 -1.371,-44.75 3.72,-44.75 6.735,-41.735 F2.4
pads on no net: IC1.1 IC1.2 IC1.3 IC1.11 IC1.12 IC1.13 IC1.14

## Polygon pours and split planes (outlines as drawn)
GND on Solder Side "NONET_L-01_P-001" (solid, pour order 15): -26,-60 -26,-35.5 cw(c-24.5,-35.5) -24.5,-34 -21.5,-34 ccw(c-21.5,-32.5) -20,-32.5 -20,1.5 cw(c-17.5,1.5) -17.5,4 17.5,4 cw(c17.5,1.5) 20,1.5 20,-32.5 ccw(c21.5,-32.5) 21.5,-34 24.5,-34 cw(c24.5,-35.5) 26,-35.5 26,-60 cw(c23,-60) 23,-63 -23,-63 cw(c-23,-60)
5P on Solder Side "NONET_L-01_P-001" (solid, pour order 12): -14.75,-60.25 -14.75,-57.25 -23.5,-48.5 -23.5,-44 -15.5,-36 -15.5,-27.5 -13,-25 -1.5,-25 5,-18.5 5,-6.5 5.5,-6 5.5,-1 3,2 2.5,2.5 0.5,2.5 0,2 0,-1 1.5,-2.5 1.5,-5.5 -5,-12 -5,-20 -16,-20 -20,-24 -20,-28 -26,-34 -26,-52 -19,-59 -19,-60 -18.25,-60.75 -15.25,-60.75
VBATT12_F on Solder Side "NONET_L-01_P-001" (solid, pour order 14): 4.75,-25.5 5.75,-24.5 7.75,-24.5 10.25,-27 10.25,-44 9.5,-44.75 5.5,-44.75 4,-46.25 -2.5,-46.25 -4,-44.75 -5.75,-44.75 -6.5,-44 -6.5,-43.25 -5.75,-42.5 3.25,-42.5 4.75,-41
5L on Solder Side "NONET_L-01_P-001" (solid, pour order 13): 4.25,-60.25 3.5,-61 1.5,-61 0.5,-60 0.5,-57 13.5,-44 13.5,-36.5 15.934,-34.066 16.07,-25.17 10.75,-19.85 10.75,-15.5 11.25,-15 12.5,-15 13,-15.5 13,-17 18.5,-22.5 18.5,-37.75 16.5,-39.75 16.5,-45 4.25,-57.25
GND on Component Side "NONET_L-01_P-001" (solid, pour order 16): -26,-60 -26,-35.5 cw(c-24.5,-35.5) -24.5,-34 -21.5,-34 ccw(c-21.5,-32.5) -20,-32.5 -20,1.5 cw(c-17.5,1.5) -17.5,4 17.5,4 cw(c17.5,1.5) 20,1.5 20,-32.5 ccw(c21.5,-32.5) 21.5,-34 24.5,-34 cw(c24.5,-35.5) 26,-35.5 26,-60 cw(c23,-60) 23,-63 -23,-63 cw(c-23,-60)
VBATT12 on Component Side "NONET_L-01_P-001" (solid, pour order 4): -22,-34.5 -20.5,-34.5 -19,-36 -19,-40.25 -4.75,-40.25 -4.75,-35.75 15,-35.75 17.75,-38.5 17.75,-40.5 16.75,-41.25 11.75,-41.25 11.75,-38.75 8,-38.75 4.25,-42.5 -9,-42.5 -12.5,-46 -22.5,-46 -22.5,-35
VBATT12_F on Component Side "NONET_L-01_P-001" (solid, pour order 3): 4.75,-35.75 15.083,-35.75 17.75,-32.55 17.75,-31.75 9.25,-31.75 9.25,-25 4.75,-25

## Other copper
Solder Side:
  rectangle net VBATT12: -1,-42 4.5,-32.5

## Silkscreen, mask and mechanical layers (free items; w line width, h text height)
Top Overlay:
  text "12V GND SIG" at -16.7,2.83 h1
  text "5P   GND   GND  5L" at 1.011,2.83 h1
  text "12V GND SIG" at 11.24,2.83 h1
  text "EN5L V-EN5L Capt2 Capt1" at -10.323,2.813 h1
  text "Capt.2" at 13.25,-1.43 h1.8
  text "Capt.1" at -18.2,-1.505 h1.8
  text "Carte Batterie PAMI 2024" at -10.4,-22.2 h2.1
  text "Goldorak - Audran" at -6.25,-24 h1.8
  text "MOT2" at -25.231,-37.75 h1.8 r270
  text "MOT1" at 24.731,-38.5 h1.8 r90
  text "AU" at 18.25,-43.981 h1.8
Bottom Overlay:
  drawing of 50 lines, arcs and shapes, not listed
  text "So little... Lithium" at 18.75,-42.479 h2
Board Outline:
  the board outline again, w0.1
Top Construction:
  circle w0.1: c13,-27.5 r2.5
  circle w0.1: c-13,-27.5 r2.5
  circle w0.1: c11,-3.5 r2.5
  circle w0.1: c7.106,-7.366 r0.75
  circle w0.1: c6.6,-19 r0.75
  circle w0.1: c6.6,-14 r0.75
  circle w0.1: c0,-4.423 r0.75
  circle w0.1: c-6.6,-19 r0.75
  circle w0.1: c-6.6,-14 r0.75
  circle w0.1: c-7.106,-7.366 r0.75
  circle w0.1: c-11,-3.5 r2.5

## Dimensions
23,-63 to 17.5,4 on Dimension
24.5,-34 to 23,-63 on Dimension
20,1.5 to -20,1.5 on Dimension
-26,-60 to 26,-60 on Dimension

## Text inside footprints (layer, text, board x,y; h text height)
C7: Top Overlay "+" at -16.7,-45.35 h1.5; Top 3D Body "+" at -18.25,-45.4 h1.5
C19: Top Overlay "+" at 0.6,-59.25 h1 r180; Top 3D Body "+" at 1.8,-59.25 h1 r180
C21: Top Overlay "+" at 9.75,-41.95 h1 r90; Top 3D Body "+" at 9.65,-42.95 h0.8 r90
C26: Top Overlay "+" at -17.9,-59.25 h1 r180; Top 3D Body "+" at -16.7,-59.25 h1 r180
C28: Top Overlay "+" at -4.75,-41.7 h1 r90; Top 3D Body "+" at -4.85,-42.7 h0.8 r90
J1: Top Overlay "C2+" at -6.197,-10.497 h2 r45; Top Overlay "T" at 4.714,-9.043 h2 r315; Top Overlay "C1-" at 5.132,-12.479 h2; Top Overlay "C1+" at -1.571,-7.279 h2; Top Overlay "C3+" at -8.071,-12.478 h2; Top Overlay "M12" at -3.663,-11.5 h4.5
J3: Top Overlay "4" at -26.5,-36.5 h1; Top Overlay "1" at -17.96,-41.35 h1
J4: Top Overlay "1" at 25.54,-41.35 h1; Top Overlay "4" at 17,-36.5 h1